# Altium PCB OZ440-SE100-CAR002.PcbDoc (part 1 of 2)
Units mm, origin at the board's own origin, x right, y up, seen from the top; angles counter-clockwise.
Board outline 156 x 60 mm, 4 copper layers (Top Layer, Mid-Layer 1, Mid-Layer 2, Bottom Layer), stack 1.586 mm thick; 110 components, 82 nets, 411 pads, 277 vias.
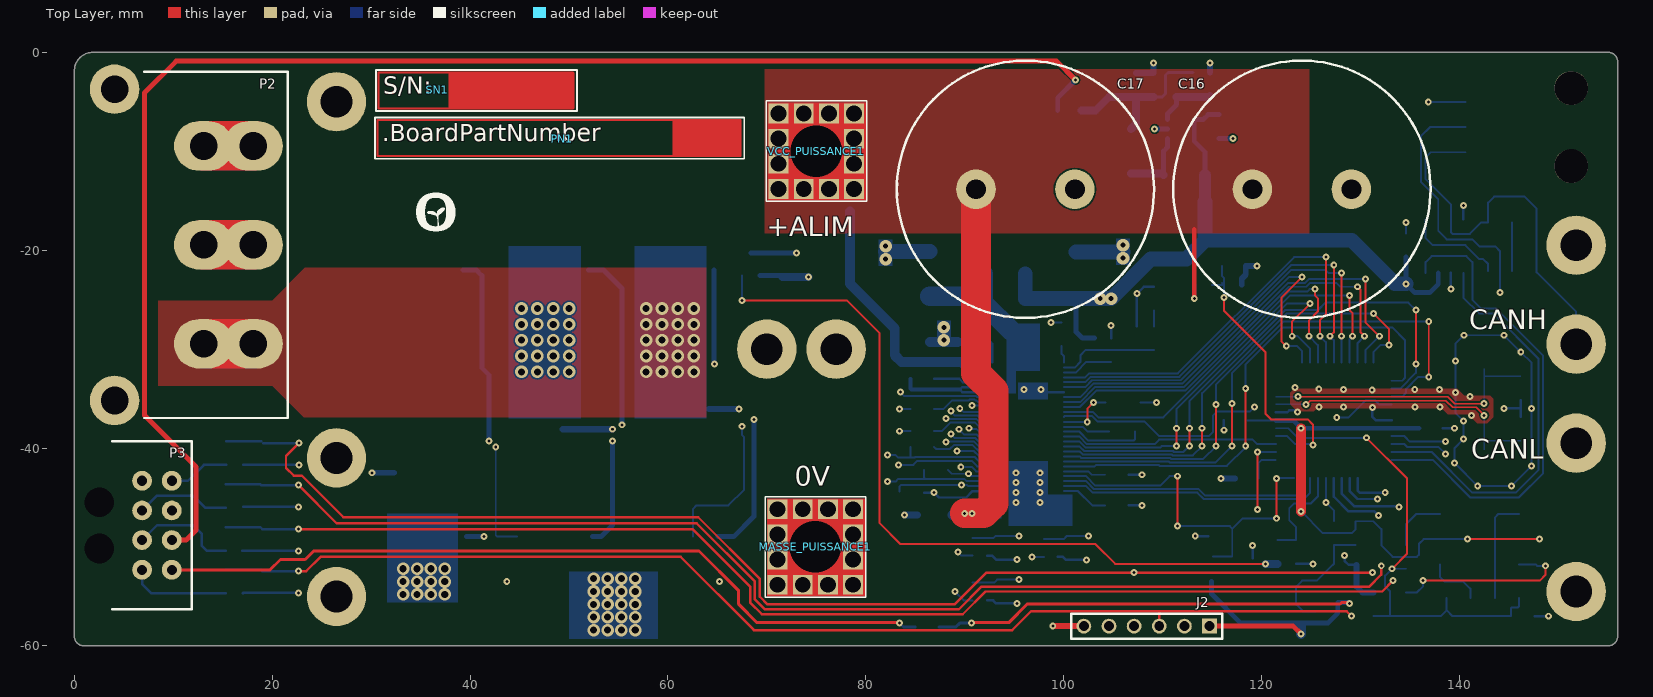
[diagram p0: Top Layer view]
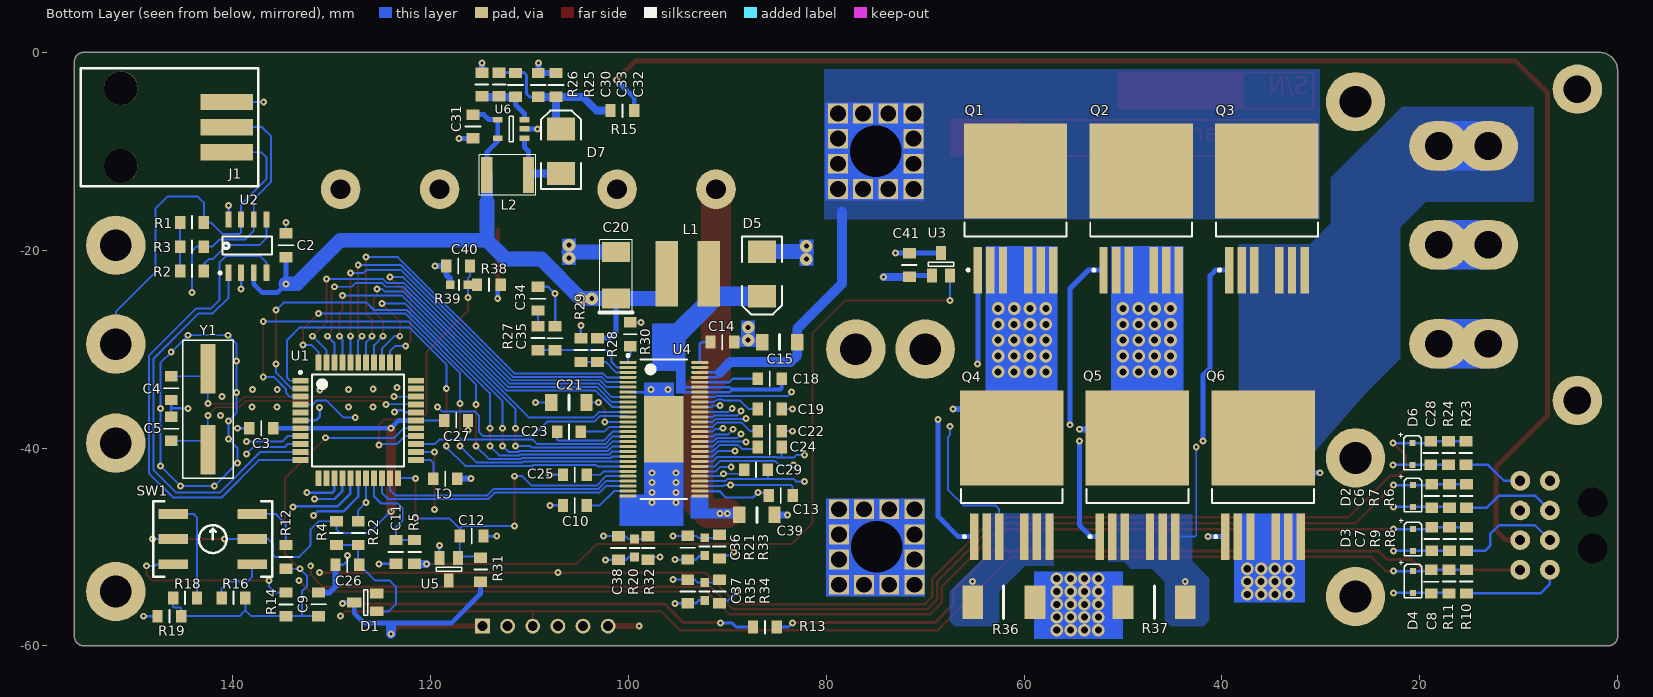
[diagram p1: Bottom Layer view, seen from below]
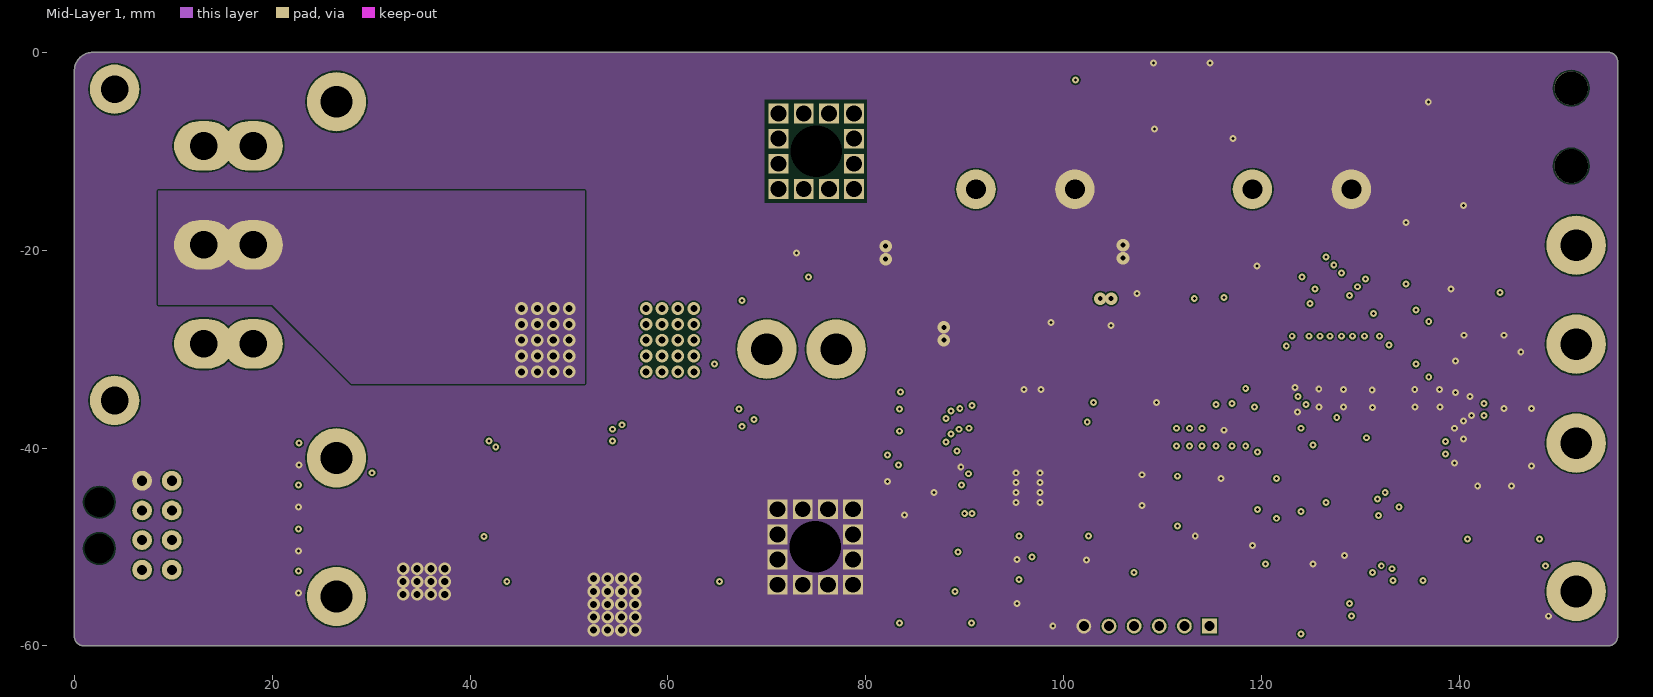
[diagram p2: Mid-Layer 1]
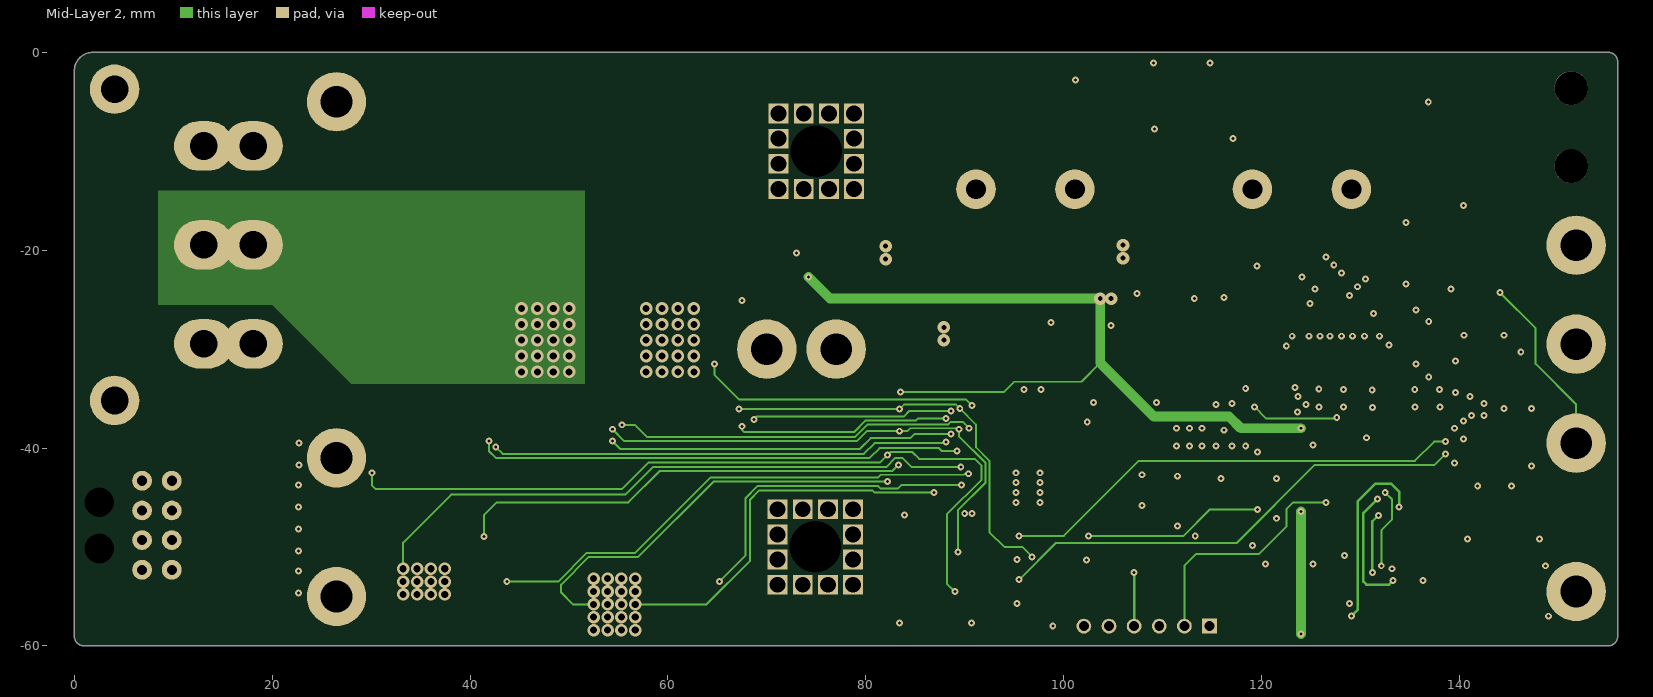
[diagram p3: Mid-Layer 2]
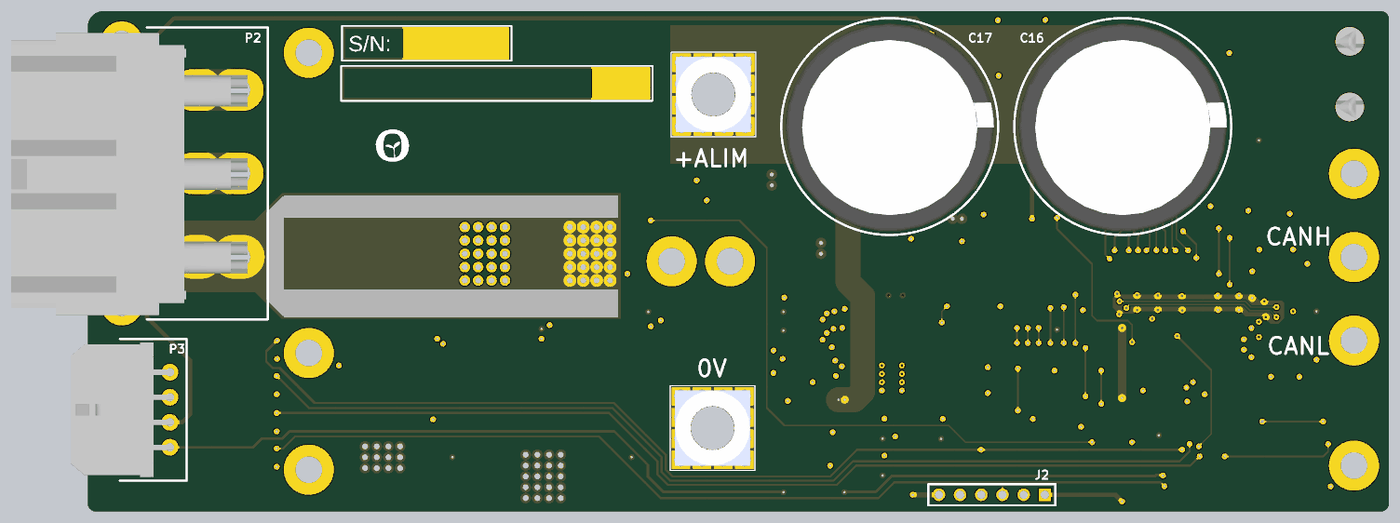
[diagram p5: 3D render of the assembled board from above, using the file's embedded part models]
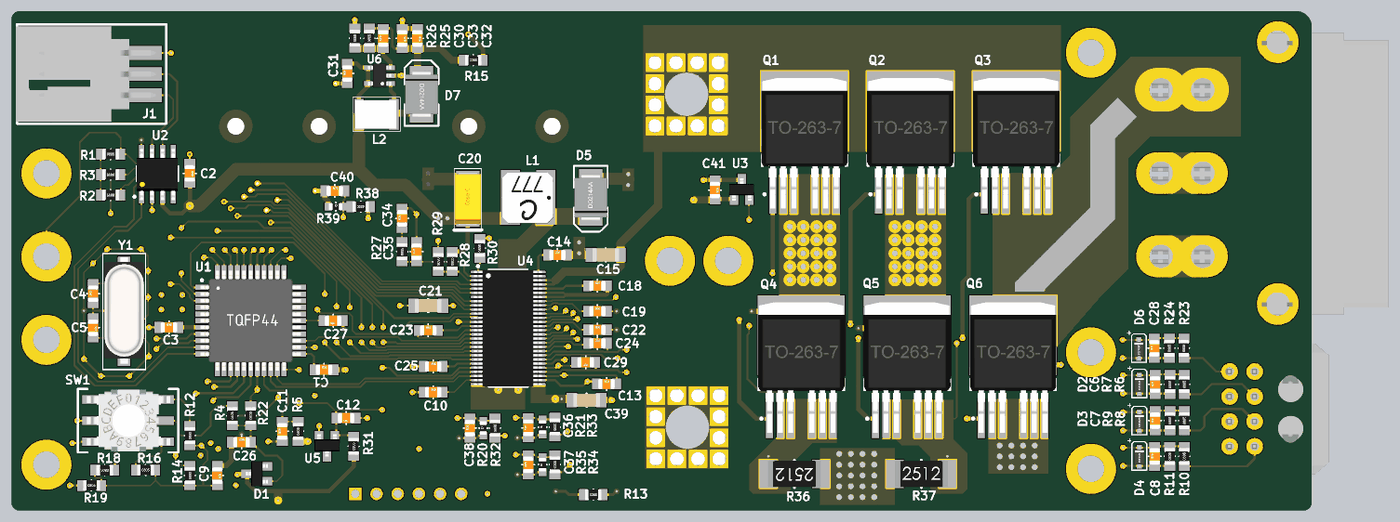
[diagram p6: 3D render of the assembled board from below, using the file's embedded part models]

## Layer stack, top to bottom
Top Layer: signal copper 0.07
Dielectric: prepreg 0.288, FR-4, Dk 4.8
Mid-Layer 1: signal copper 0.07
Dielectric: core 0.73, FR-4, Dk 4.8
Mid-Layer 2: signal copper 0.07
Dielectric: prepreg 0.288, FR-4, Dk 4.8
Bottom Layer: signal copper 0.07

## Board outline
0,-59 ccw(c1,-59) 1,-60 155,-60 ccw(c155,-59) 156,-59 156,-1 ccw(c155,-1) 155,0 1.905,0 ccw(c1.905,-1.905) 0,-1.905

## Design rules (kind name [scope] priority, off if disabled: settings)
AssemblyTestPointUsage [All] p1: valid=2
Clearance Clearance_1 [InNet('24V_PUISSANCE') vs InNet('GND')] p1 off: gap=0.35
Clearance [All] p2: gap=0.15
FabricationTestPointUsage [All] p1: valid=2 allowmultiple=FALSE
Height [All] p1: minheight=0 maxheight=35 prefheight=12.7
HoleSize [All] p1: absolutevalues=TRUE maxlimit=5 minlimit=0.025 maxpercent=80.000 minpercent=20.000
MinimumSolderMaskSliver [All] p1: minsoldermaskwidth=0.07
PolygonConnect [All] p1: connectstyle=Direct reliefconductorwidth=0.254 reliefentries=4 polygonreliefangle="90 Angle" airgapwidth=0.254
RoomDefinition "OZ440-SE100-CAR002-SCH01_logique - Copie" [InComponentClass('OZ440-SE100-CAR002-SCH01_logique - Copie')] p1: confinementstyle=ConfineIn formatcopy=TRUE lockcomponents=FALSE outline -41.275,-121.412 233.68,-121.412 233.68,37.465 -41.275,37.465
RoomDefinition OZ440-SE100-CAR002-SCH02_puissance [InComponentClass('OZ440-SE100-CAR002-SCH02_puissance')] p2: confinementstyle=ConfineIn formatcopy=TRUE lockcomponents=FALSE outline -39.497,-119.253 235.204,-119.253 235.204,36.195 -39.497,36.195
RoutingVias [All] p1: holewidth=0.3 width=0.7 viastyle="Through Hole" minholewidth=0.3 minwidth=0.7 maxholewidth=4 maxwidth=4
SilkToSilkClearance [All] p1: silktosilkclearance=0.1
SilkscreenOverComponentPads [All] p1: minsilkscreentomaskgap=0.125
SolderMaskExpansion [All] p1: expansion=0.125
Width [All] p1: maxlimit=20 minlimit=0.15 preferedwidth=0.15 minimp=50.000000 maximp=50.000000 favimp=50.000000
21 further rules are at their usual default settings.

## Classes and differential pairs
component class "OZ440-SE100-CAR002-SCH01_logique - Copie": C1 C2 C3 C4 C5 C6 C7 C8 C9 C11 C26 C27 C28 C41 D1 D2 D3 D4 D6 J1 J2 P3 PN1 R1 R2 R3 R4 R5 R6 R7 R8 R9 R10 R11 R12 R13 R14 R15 R16 R18 R19 R22 R23 R24 SN1 SW1 U1 U2 U3 Y1
component class OZ440-SE100-CAR002-SCH02_puissance: C10 C12 C13 C14 C15 C16 C17 C18 C19 C20 C21 C22 C23 C24 C25 C29 C30 C31 C32 C33 C34 C35 C36 C37 C38 C39 C40 D5 D7 L1 L2 MASSE_PUISSANCE1 P2 Q1 Q2 Q3 Q4 Q5 Q6 R20 R21 R25 R26 R27 R28 R29 R30 R31 R32 R33 R34 R35 R36 R37 R38 R39 U4 U5 U6 VCC_PUISSANCE1

## Components (designator, comment, footprint, x,y, rotation, side; value= is the part's Value field where it differs from the comment)
C1 "CAP-SMD" C0805-STD 118.5,-43.1 r180 bottom
C2 "CAP-SMD" C0805-STD 134.6,-19.5 r270 bottom
C3 "CAP-SMD" C0805-STD 137.1,-38 r180 bottom
C4 "CAP-SMD" C0805-STD 146.2,-33.95 r90 bottom
C5 "CAP-SMD" C0805-STD 146.2,-38.05 r270 bottom
C6 "CAP-SMD" C0805-STD 18.8,-44.85 r90 bottom
C7 "CAP-SMD" C0805-STD 18.8,-49.2 r90 bottom
C8 "CAP-SMD" C0805-STD 18.854,-53.5 r90 bottom
C9 "CAP-SMD" C0805-STD 131.3,-55.8 r270 bottom
C10 "CAP-SMD" C0805-STD 105.4,-45.8 r180 bottom
C11 "CAP-SMD" C0805-STD 123.5,-50.5 r90 bottom
C12 "CAP-SMD" C0805-STD 115.839,-48.9 r0 bottom
C13 "CAP-SMD" C0805-STD 84.6,-44.8 r180 bottom
C14 "CAP-SMD" C0805-STD 90.5,-29.3 r180 bottom
C15 "CAP-SMD" C1206-STD 84.7,-29.3 r180 bottom
C16 "CAP-POL-SMD" SNAP_IN_10mm-SPE-SLPX 124.079,-13.843 r0 top locked
C17 "CAP-POL-SMD" SNAP_IN_10mm-SPE-SLPX 96.139,-13.843 r0 top locked
C18 "CAP-SMD" C0805-STD 85.7,-33 r180 bottom
C19 "CAP-SMD" C0805-STD 85.7,-36.067 r180 bottom
C20 "CAP-POL-SMD" C_size_C-STD 101.25,-24.9 r90 bottom
C21 "CAP-SMD" C1206-STD 106,-35.4 r180 bottom
C22 "CAP-SMD" C0805-STD 85.7,-38.3 r180 bottom
C23 "CAP-SMD" C0805-STD 106,-38.35 r180 bottom
C24 "CAP-SMD" C0805-STD 85.7,-39.9 r180 bottom
C25 "CAP-SMD" C0805-STD 105.4,-42.7 r180 bottom
C26 "CAP-SMD" C0805-STD 128.4,-51.8 r180 bottom
C27 "CAP-SMD" C0805-STD 117.4,-37.2 r0 bottom
C28 "CAP-SMD" C0805-STD 18.9,-40.5 r90 bottom
C29 "CAP-SMD" C0805-STD 87.1,-42.2 r0 bottom
C30 "CAP-SMD" C0805-STD 111.4,-3.3 r90 bottom
C31 "CAP-SMD" C0805-STD 115.7,-7.5 r90 bottom
C32 "CAP-SMD" C0805-STD 107.3,-3.3 r270 bottom
C33 "CAP-SMD" C0805-STD 109.1,-3.3 r270 bottom
C34 "CAP-SMD" C0805-STD 109.128,-24.9 r90 bottom
C35 "CAP-SMD" C0805-STD 107.4,-28.9 r90 bottom
C36 "CAP-SMD" C0805-STD 94,-50.07 r90 bottom
C37 "CAP-SMD" C0805-STD 94,-54.5 r90 bottom
C38 "CAP-SMD" C0805-STD 101,-50.1 r90 bottom
C39 "CAP-SMD" C1206-STD 87,-46.75 r180 bottom
C40 "CAP-SMD" C0805-STD 117.2,-21.6 r180 bottom
C41 "CAP-SMD" C0805-STD 71.6,-21.5 r270 bottom
D1 "BAS16-SOT23" SOT23-STD 127.7,-55.6 r180 bottom
D2 "DIODE_ZENER-SOD323" SOD323-SPE-BZX384 20.7,-45.95 r90 bottom
D3 "DIODE_ZENER-SOD323" SOD323-SPE-BZX384 20.7,-50.4 r90 bottom
D4 "DIODE_ZENER-SOD323" SOD323-SPE-BZX384 20.7,-54.648 r90 bottom
D5 "DIODE_SCHOTKY-DO214AA" DO214AA-STD 86.5,-22.4 r270 bottom
D6 "DIODE_ZENER-SOD323" SOD323-SPE-BZX384 20.746,-41.7 r90 bottom
D7 "DIODE_SCHOTKY-DO214AA" DO214AA-STD 106.8,-10 r90 bottom
J1 "CONN-STD-3P_1ROW" CONN-SPE_MOLEX_0015913033 140.6,-10.106 r90 bottom
J2 "CONN-STD-6P_1ROW" 6P_HEADER-STD_TH_1ROW 112.2,-58 r0 top
L1 "IND-SMD" L-SPE-LPS6235 91.875,-22.4 r0 bottom
L2 "IND-SMD" L-SPE-PFL4514 114.3,-12.4 r180 bottom
MASSE_PUISSANCE1 "TP-STD-TEST_POINT" MEC-SPE-WURTHZ_7460408 74.9,-50 r90 top
P2 "CONN-STD-3P_puissance" CONN-SPE-428203213_MOLEX 13.081,-29.464 r270 top locked
P3 "CONN-SPE-8P_MOLEX_43045-0801" CONN-SPE_MOLEX_43045-0801 6.858,-43.307 r270 top
PN1 "PART-NUMBER" PART_NUMBER-STD 49.3,-8.73 r0 top
Q1 "IPB039N10N3-PGTO263_3" TO263-3-SPE-IPB039N10N3 60.864,-15.761 r90 bottom
Q2 "IPB039N10N3-PGTO263_3" TO263-3-SPE-IPB039N10N3 48.164,-15.761 r90 bottom
Q3 "IPB039N10N3-PGTO263_3" TO263-3-SPE-IPB039N10N3 35.464,-15.761 r90 bottom
Q4 "IPB039N10N3-PGTO263_3" TO263-3-SPE-IPB039N10N3 61.245,-42.712 r90 bottom
Q5 "IPB039N10N3-PGTO263_3" TO263-3-SPE-IPB039N10N3 48.545,-42.712 r90 bottom
Q6 "IPB039N10N3-PGTO263_3" TO263-3-SPE-IPB039N10N3 35.845,-42.712 r90 bottom
R1 "RES-SMD" R0805-STD 144.1,-17.2 r180 bottom
R2 "RES-SMD" R0805-STD 144.1,-22.1 r0 bottom
R3 "RES-SMD" R0805-STD 144.1,-19.65 r0 bottom
R4 "RES-SMD" R0805-STD 129.5,-48.6 r90 bottom
R5 "RES-SMD" R0805-STD 121.6,-50.5 r90 bottom
R6 "RES-SMD" R0805-STD 15.3,-44.85 r90 bottom
R7 "RES-SMD" R0805-STD 17,-44.85 r90 bottom
R8 "RES-SMD" R0805-STD 15.3,-49.2 r90 bottom
R9 "RES-SMD" R0805-STD 17,-49.2 r90 bottom
R10 "RES-SMD" R0805-STD 15.3,-53.5 r90 bottom
R11 "RES-SMD" R0805-STD 17.041,-53.5 r90 bottom
R12 "RES-SMD" R0805-STD 134.6,-51 r270 bottom
R13 "RES-SMD" R0805-STD 86.2,-58.1 r0 bottom
R14 "RES-SMD" R0805-STD 134.6,-55.8 r270 bottom
R15 "RES-SMD" R0805-STD 100.6,-5.9 r0 bottom
R16 "RES-SMD" R0805-STD 139.9,-55.148 r180 bottom
R18 "RES-SMD" R0805-STD 144.8,-55.148 r0 bottom
R19 "RES-SMD" R0805-STD 146.39,-57 r180 bottom
R20 "RES-SMD" R0603-STD 99.381,-50.1 r90 bottom
R21 "RES-SMD" R0603-STD 92.281,-49.97 r90 bottom
R22 "RES-SMD" R0805-STD 127.3,-48.6 r90 bottom
R23 "RES-SMD" R0805-STD 15.346,-40.5 r90 bottom
R24 "RES-SMD" R0805-STD 17.087,-40.5 r90 bottom
R25 "RES-SMD" R0805-STD 113.061,-3.263 r90 bottom
R26 "RES-SMD" R0805-STD 114.8,-3.263 r270 bottom
R27 "RES-SMD" R0805-STD 109.128,-28.9 r90 bottom
R28 "RES-SMD" R0805-STD 103.1,-30.1 r90 bottom
R29 "RES-SMD" R0805-STD 104.8,-30.1 r270 bottom
R30 "RES-SMD" R0805-STD 99.8,-28.5 r90 bottom
R31 "RES-SMD" R0805-STD 114.939,-52.3 r90 bottom
R32 "RES-SMD" R0805-STD 98,-50.1 r270 bottom
R33 "RES-SMD" R0805-STD 90.8,-49.97 r270 bottom
R34 "RES-SMD" R0805-STD 90.8,-54.5 r270 bottom
R35 "RES-SMD" R0603-STD 92.281,-54.5 r90 bottom
R36 "RES-SMD" R2512-STD 58.9,-55.6 r0 bottom
R37 "RES-SMD" R2512-STD 50.015,-55.6 r180 bottom
R38 "RES-SMD" R0805-STD 114.1,-23.5 r180 bottom
R39 "RES-SMD" R0603-STD 117.1,-23.5 r180 bottom
SN1 "SERIAL-NUMBER" SERIAL_NUMBER-STD 36.7,-3.8 r0 top
SW1 "Switch-STD-coding_wheel" SW-SPE-CTS_220-AMA16 146,-51.748 r180 bottom
U1 "P18F45K80-TQFP44" TQFP44-SPE-PIC18F45k80 127.3,-37.2 r180 bottom
U2 "MCP2561-SOIC08" SO8-SPE-MCP2561 140.4,-22.3 r90 bottom
U3 "MCP97XX-SOT23" SOT23-STD 68.4,-20.3 r270 bottom
U4 "DRV8301-TSSOP56" TSSOP56-SPE-DRV8301 96.4,-38.1 r180 bottom
U5 "LM4040-SOT23" SOT23-SPE-LM4040 118.1,-53.4 r90 bottom
U6 "LM27313-SOT23_5P" SOT23_5-SPE-LM27313 110.5,-8.7 r180 bottom
VCC_PUISSANCE1 "TP-STD-TEST_POINT" MEC-SPE-WURTHZ_7460408 75,-10 r90 top
Y1 "XTAL-SMD" XTAL-SPE-HC49_SMD 142.5,-40.15 r90 bottom

## Footprints (in the part's own frame and the unit in brackets; to place one, negate y for a bottom-side part, rotate by r counter-clockwise, add the part's x,y. Pads: shape width x height; smd on the part's side, far side on the other; paste and mask are expansions set on the pad)
6P_HEADER-STD_TH_1ROW [mm] "6P TH header, 2.54mm pitch"
  rect 1.5x1.5 hole 1: 1(2.54,0)
  round 1.5 hole 1: 2(0,0) 3(-2.54,0) 4(-5.08,0) 5(-7.62,0) 6(-10.16,0)
  silkscreen extent -11.43,-1.27 3.81,1.27
C0805-STD [mm]
  rect 1.05x1.3 smd: 1(-1.2,0) 2(1.2,0)
  silkscreen extent 0,-0.76 0,0.76, body extent -1,-0.62 1,0.63, height 0.76
C1206-STD [mm]
  rect 1.25x1.7 smd: 1(-1.775,0) 2(1.775,0)
  silkscreen extent 0,-0.76 0,0.76, body extent -1.6,-0.8 1.6,0.8, height 0.79
C_size_C-STD [mm]
  rect 2x2.8 smd: 1(0,0) 2(4.7,0)
  silkscreen extent -1.4,-1.65 5.97,1.65, body extent -0.76,-1.61 5.43,1.6, height 2.7
CONN-SPE-428203213_MOLEX [mm]
  oval 5x6 hole 2.8: 1(0,5) 1(0,0) 2(-10,5) 2(-10,0) 3(-20,0) 3(-20,5)
  round 5 hole 2.8: Fix1(5.73,-9) Fix2(-25.73,-9)
  Top Layer lines w5: 0,0 0,5 ; -10,0 -10,5 ; -20,0 -20,5
  Bottom Layer lines w5: 0,0 0,5 ; -10,0 -10,5 ; -20,0 -20,5
  silkscreen extent -27.5,-6 7.5,8.5, body extent -26.82,-22.27 7,6.07, height 14
CONN-SPE_MOLEX_43045-0801 [mm]
  round 2 hole 1.02: 1(0,0) 2(3,0) 3(6,0) 4(9,0) 5(9,3) 6(6,3) 7(3,3) 8(0,3)
  round 2 hole 3: FIX2(2.16,-4.32) FIX2(6.84,-4.32)
  silkscreen extent -4,-3 13,5, body extent -3.58,-8.89 12.57,3.35, height 8.78
CONN-SPE_MOLEX_0015913033 [mm]
  round 3.4 hole 3.4: 0(-1.39,10.69) 0(6.48,10.69)
  rect 1.65x5.33 smd: 1(0,0) 2(2.54,0) 3(5.08,0)
  silkscreen extent -3.43,-3.18 8.51,14.73, body extent -3.17,-1.9 8.26,14.86, height 6.96
DO214AA-STD [mm]
  rect 2.3x2.8 smd: A(-2.25,0) K(2.25,0)
  silkscreen extent -3.8,-2.03 4.1,2.03, body extent -2.79,-1.97 2.79,1.97, height 2.6
L-SPE-LPS6235 [mm]
  rect 2.3x6.6 smd: 1(0,0) 2(4.25,0)
  body extent -0.92,-3.08 5.29,3.13, height 3.5
L-SPE-PFL4514 [mm]
  rect 1.14x3.68 smd: 1(0,0) 2(4.2,0)
  silkscreen extent -0.76,-2.03 4.95,2.03, body extent -0.42,-1.7 4.48,1.7, height 1.35
MEC-SPE-WURTHZ_7460408 [mm]
  rect 2x2 hole 1.6: 1(-3.81,-3.81) 1(-3.81,-1.27) 1(-3.81,1.27) 1(-3.81,3.81) 1(-1.27,3.81) 1(-1.27,-3.81) 1(1.27,3.81) 1(1.27,-3.81) 1(3.81,-3.81) 1(3.81,-1.27) 1(3.81,1.27) 1(3.81,3.81)
  round 4 hole 5.2: 1(0,0)
  silkscreen extent -5.08,-5.08 5.08,5.08, body extent -4.5,-4.52 4.5,4.5, height 6
PART_NUMBER-STD [mm]
  Top Layer region: 11.176,-1.778 18.161,-1.778 18.161,1.905 11.176,1.905
  Top Layer lines w0.2: 18.034,-1.778 -18.669,-1.778 -18.669,1.905 18.034,1.905
  silkscreen extent -18.92,-2.03 18.41,2.16
R0603-STD [mm]
  rect 0.9x0.9 smd: 1(-0.9,0) 2(0.9,0)
  silkscreen extent 0,-0.51 0,0.51, body extent -0.8,-0.4 0.8,0.4, height 0.3
R0805-STD [mm]
  rect 1.05x1.3 smd: 1(-1.2,0) 2(1.2,0)
  silkscreen extent 0,-0.64 0,0.64, body extent -1,-0.61 1,0.64, height 0.6
R2512-STD [mm]
  rect 2.1x3.4 smd: 1(0,0) 2(6.3,0)
  silkscreen extent 3.17,-1.65 3.17,1.65, body extent 0.02,-1.6 6.33,1.6, height 0.62
SERIAL_NUMBER-STD [mm]
  Top Layer region: 1.143,-1.905 13.843,-1.905 13.843,1.778 1.143,1.778
  Top Layer lines w0.2: 13.716,-1.905 -5.969,-1.905 -5.969,1.778 13.716,1.778
  silkscreen extent -6.22,-2.16 14.1,2.03
SNAP_IN_10mm-SPE-SLPX [mm]
  round 4 hole 2: 1(-5,0) 2(5,0)
  silkscreen extent -13,-13 13,13, body extent -12.5,-12.63 12.5,12.37, height 30
SO8-SPE-MCP2561 [mm]
  rect 1.65x0.6 smd: 1(0,0) 2(0,-1.27) 3(0,-2.54) 4(0,-3.81) 5(5.4,-3.81) 6(5.4,-2.54) 7(5.4,-1.27) 8(5.4,0)
  silkscreen extent -0.12,-4.41 3.68,0.98, body extent -0.4,-4.35 5.74,0.54, height 1.73
SOD323-SPE-BZX384 [mm]
  rect 0.6x0.6 smd: A(0,0) K(2.2,0)
  silkscreen extent -0.51,-0.89 3.25,1.37, body extent -0.16,-0.63 2.34,0.62, height 0.95
SOT23-SPE-LM4040 [mm]
  rect 1.425x1 smd: 3(0,0.05)
  rect 1.4x1 smd: A(2.275,1) K(2.275,-0.9)
  silkscreen extent 0.94,-1.27 1.35,1.3, body extent -0.1,-1.47 2.54,1.53, height 1.08
SOT23-STD [mm]
  rect 1.4x1 smd: 1(2.275,-0.9) 2(2.275,0.9)
  rect 1.425x1 smd: 3(0,0)
  silkscreen extent 0.94,-1.3 1.35,1.27, body extent -0.18,-1.5 2.46,1.5, height 1.08
SOT23_5-SPE-LM27313 [mm]
  rect 1x0.55 smd: 1(0,0) 2(0,0.95) 3(0,1.9) 4(-2.7,1.9) 5(-2.7,0)
  silkscreen extent -1.51,-0.34 -1.11,2.22, body extent -2.72,-0.51 0.08,2.39, height 1.43
SW-SPE-CTS_220-AMA16 [mm]
  rect 3x1 smd: 1(0,5.08) 2(7.985,0) 4(0,0) 8(7.985,5.08) C(0,2.54) C(7.985,2.54)
  silkscreen extent -2.03,-1.27 10.02,6.35, body extent -0.94,-1.16 9.06,6.24, height 4.25
TO263-3-SPE-IPB039N10N3 [mm]
  rect 4.7x0.85 smd: 1(-6.25,3.81) 2(-6.25,2.54) 3(-6.25,1.27) 5(-6.25,-1.27) 6(-6.25,-2.54) 7(-6.25,-3.81)
  rect 9.6x10.45 smd: 8(3.75,0)
  silkscreen extent -6.37,-5.15 -1.45,5.15, body extent -7.95,-5.2 7.72,5.2, height 4.5
TQFP44-SPE-PIC18F45k80 [mm]
  rect 1.6x0.6 smd: 1(-5.85,4) 2(-5.85,3.2) 3(-5.85,2.4) 4(-5.85,1.6) 5(-5.85,0.8) 6(-5.85,0) 7(-5.85,-0.8) 8(-5.85,-1.6) 9(-5.85,-2.4) 10(-5.85,-3.2) 11(-5.85,-4) 23(5.85,-4) 24(5.85,-3.2) 25(5.85,-2.4) 26(5.85,-1.6) 27(5.85,-0.8) 28(5.85,0) 29(5.85,0.8) 30(5.85,1.6) 31(5.85,2.4) 32(5.85,3.2) 33(5.85,4)
  rect 0.6x1.6 smd: 12(-4,-5.85) 13(-3.2,-5.85) 14(-2.4,-5.85) 15(-1.6,-5.85) 16(-0.8,-5.85) 17(0,-5.85) 18(0.8,-5.85) 19(1.6,-5.85) 20(2.4,-5.85) 21(3.2,-5.85) 22(4,-5.85) 34(4,5.85) 35(3.2,5.85) 36(2.4,5.85) 37(1.6,5.85) 38(0.8,5.85) 39(0,5.85) 40(-0.8,5.85) 41(-1.6,5.85) 42(-2.4,5.85) 43(-3.2,5.85) 44(-4,5.85)
  silkscreen extent -5.98,-4.65 4.65,4.97, body extent -6.01,-6.01 6.01,6.01, height 1.1
TSSOP56-SPE-DRV8301 [mm]
  oval 1.75x0.3 smd: 1(-3.625,6.75) 2(-3.625,6.25) 3(-3.625,5.75) 4(-3.625,5.25) 5(-3.625,4.75) 6(-3.625,4.25) 7(-3.625,3.75) 8(-3.625,3.25) 9(-3.625,2.75) 10(-3.625,2.25) 11(-3.625,1.75) 12(-3.625,1.25) 13(-3.625,0.75) 14(-3.625,0.25) 15(-3.625,-0.25) 16(-3.625,-0.75) 17(-3.625,-1.25) 18(-3.625,-1.75) 19(-3.625,-2.25) 20(-3.625,-2.75) 21(-3.625,-3.25) 22(-3.625,-3.75) 23(-3.625,-4.25) 24(-3.625,-4.75) 25(-3.625,-5.25) 26(-3.625,-5.75) 27(-3.625,-6.25) 28(-3.625,-6.75) 29(3.625,-6.75) 30(3.625,-6.25) 31(3.625,-5.75) 32(3.625,-5.25) 33(3.625,-4.75) 34(3.625,-4.25) 35(3.625,-3.75) 36(3.625,-3.25) 37(3.625,-2.75) 38(3.625,-2.25) 39(3.625,-1.75) 40(3.625,-1.25) 41(3.625,-0.75) 42(3.625,-0.25) 43(3.625,0.25) 44(3.625,0.75) 45(3.625,1.25) 46(3.625,1.75) 47(3.625,2.25) 48(3.625,2.75) 49(3.625,3.25) 50(3.625,3.75) 51(3.625,4.25) 52(3.625,4.75) 53(3.625,5.25) 54(3.625,5.75) 55(3.625,6.25) 56(3.625,6.75)
  rect 4x6.7 smd: 57(0,0)
  silkscreen extent -3.75,-7.05 2.35,7.57, body extent -4.1,-7.03 4.04,7.05, height 1.09
XTAL-SPE-HC49_SMD [mm]
  rect 5x1.5 smd: 1(0,0) 2(8.15,0)
  silkscreen extent -2.92,-2.59 11.02,2.54, body extent -2.21,-2.44 10.59,2.39, height 4.3

## Part data
C1: library part C0805C106K9PACxx, "0805 10uF / 6.3V X5R ceramic capacitor"
C2 C3 C9 C11 C26 C27 C41: library part VJ0805Y104KXAxx, "0805 100nF / 50V  X7R ceramic capacitor"
C4 C5: library part C0805C150J5GACxx, "0805 15pF / 50V COG ceramic capacitor"
C6 C7 C8 C13 C28 C29 C36 C37 C38 C40: library part VJ0805Y102KXBxx, "0805 1nF / 100V X7R ceramic capacitor"
C10 C12 C25: library part C0805C105K4RACxx, "0805 1uF / 16V X7R ceramic capacitor"
C14 C23: library part VJ0805Y223KXBxx, "0805 22nF / 100V X7R ceramic capacitor"
C15 C21 C39: library part C3216X7S2A225Kxxx, "1206 2.2uF / 100V X7S ceramic capacitor"
C16 C17: library part SLPX222M080C3P3, "2200uF/80V Aluminium capacitor, snap in"
C18 C19 C22 C24: library part VJ0805Y334KXXxx, "0805 330nF / 25V X7R ceramic capacitor"
C20: library part TPSC476K016x0110, "47uF / 16V low ESR capacitor (110mR)"
C30: library part C0805C221J5GACxx, "0805 220pF / 100V COG ceramic capacitor"
C31 C32 C33: library part C0805C225K4PACxx, "0805 2.2uF / 16V X5R ceramic capacitor"
C34: library part C0805C682J5GACxx, "0805 6.8nF / 50V COG ceramic capacitor"
C35: library part C0805C121J5GACxx, "0805 120pF / 50V COG ceramic capacitor"
D1: library part BAS16, "100V / 120mA signal  diode"
D2 D3 D4 D6: library part BZX384C4V7, "4.7V zener diode"
D5 D7: library part SS24-E3/xxx, "2A/40V schottky diode in SMB package"
J1: library part 0015913033, "3 pin , 2.54mm SMD header"
J2: library part 68000-406HLF, "6P, 1 row, 2.54mm header"
L1: library part LPS6235-223MR, "22uH SMD inductor"
L2: library part PFL4514-103ME, "10uH SMD inductor"
MASSE_PUISSANCE1 VCC_PUISSANCE1: library part 7460408, "Bush with threaded hole M5"
P2: library part 42820-3213, "3 pin power connector"
P3: library part 43045-0801, "8 pin Microfit connector"
PN1: library part "Large part number", "large part number copper identification"
Q1 Q2 Q3 Q4 Q5 Q6: library part IPB017N06N3, "60V/180A N channel MOSFET in DPAK package"
R1 R3: library part CRCW080559R0FKxx, "59 Ohm 0805 SMD resistor"
R2 R13 R15 R22: library part CRCW0805300RFKxx, "300 ohm 0805 SMD resistor"
R4 R7 R9 R11 R24 R29: library part CRCW080510K0FKxx, "10k Ohm 0805 SMD resistor"
R5 R19: library part CRCW08051K00FKxx, "1k Ohm 0805 SMD resistor"
R6 R8 R10 R23: library part CRCW080547K0FKxx, "47k Ohm 0805 SMD resistor"
R12: library part CRCW08052K00FKxx, "2k Ohm 0805 SMD resistor"
R14: library part CRCW08054K02FKxx, "4k02 Ohm 0805 SMD resistor"
R16: library part CRCW08058K06FKxx, "8k06 Ohm 0805 SMD resistor"
R18 R27: library part CRCW080516K2FKxx, "16k2 Ohm 0805 SMD resistor"
R20 R21 R35 R39: library part ERA3ARB102x, "1k 0.1%  0603 SMD resistor"
R25: library part CRCW0805118KFKxx, "118k Ohm 0805 SMD resistor"
R26: library part CRCW080513K3FKxx, "13k3 Ohm 0805 SMD resistor"
R28: library part CRCW080553K6FKxx, "53k6 Ohm 0805 SMD resistor"
R30: library part CRCW0805220KFKxx, "220k Ohm 0805 SMD resistor"
R31: library part CRCW08053K00FKxx, "3k Ohm 0805 SMD resistor"
R32 R33 R34 R38: library part CRCW08056K80FKxx, "6,8k Ohm 0805 SMD resistor"
R36 R37: library part ERJM1WTJ1M0U, "0.001R 1% 2512 SMD resistor"
SN1: library part "Serial Number", "serial number copper identification"
SW1: library part 220AMA16x, "16 positions rotary dip switch"
U1: library part PIC18F45K80-I/PT, "Pic microcontroller with embeded CAN controller"
U2: library part MCP2561-E/SN, "CAN transceiver with common mode stabilisation"
U3: library part MCP9701AT-E/TT, "temperature sensor with voltage output"
U4: library part DRV8301DCA, "3 phase MOSFET driver"
U5: library part LM4040D41IDBZx, "4.096 shunt voltage reference"
U6: library part LM27313XMF, "Boost converter 20V/ 800mA"
Y1: library part MCRSD16000F183000RR, "16Mhz Crystal"

## Free pads (board coordinates)
  round 6 hole 3.2: 0(26.5,-55) 0(26.5,-41) 0(26.5,-5) 0(70,-30) 0(77,-30) 0(151.8,-54.5) 0(151.8,-39.5) 0(151.8,-29.5) 0(151.8,-19.5)

## Via types
v1: diameter 0.7, hole 0.3, Top Layer to Bottom Layer, 179 vias
v2: diameter 1.27, hole 0.711, Top Layer to Bottom Layer, 40 vias
v3: diameter 1.27, hole 0.711, Top Layer to Bottom Layer, tented both sides, 32 vias
v4: diameter 0.7, hole 0.3, Top Layer to Bottom Layer, tented both sides, 18 vias
v5: diameter 1.27, hole 0.5, Top Layer to Bottom Layer, tented both sides, 8 vias

## Nets (pads, with @x,y where several pads share a name; then routed paths per layer and width w, separated by ;. In a path a pad name is that pad's centre, name@x,y a point inside that pad or via, vN(x,y) a via of type N, cw(c..) or ccw(c..) an arc to the next point about the centre after c; other vN are vias at no path point)
5V: C2.2 C3.2 C20.1 C27.2 C31.2 C41.2 D1.3 J2.1 L1.2 L2.1 R4.2 R13.2 R28.2 R31.1 SW1.C U1.7 U1.28 U2.3 U3.1 U4.49 U6.4 U6.5 | length 311.1
  Top Layer w0.2: v1(140.8,-49.208) v1(148.1,-49.208)
  Top Layer w0.3: v4(90.7,-57.7) 90.75,-57.65 94.45,-57.65 96.35,-55.75 127.95,-55.75 128.1,-55.6 128.9,-55.6 v1(128.9,-55.7)
  Top Layer w0.5: J2.1@114.74,-58 123.2,-58 v1(124,-58.8)
  Top Layer w1: v1(123.99,-46.4) 124,-46.39 v1(124,-38)
  Mid-Layer 2 w0.2: v1(83.5,-34.35) 93.95,-34.35 95,-33.3 101.8,-33.3 103.7,-31.4
  Mid-Layer 2 w1: v1(74.2,-22.7) 76.4,-24.9 v5(103.7,-24.9) 103.7,-31.4 109.1,-36.8 116.7,-36.8 117.9,-38 v1(124,-38) ; v1(123.99,-46.4) 123.99,-58.79 v1(124,-58.8)
  Bottom Layer w0.2: v1(83.5,-34.35) 83.9,-34.75 91.144,-34.75 91.244,-34.85 U4.49@92.775,-34.85 ; C27.2@118.6,-37.2 U1.28@121.45,-37.2 ; v1(123.99,-46.4) 126.19,-48.6 129.1,-48.6 129.5,-48.2 R4.2@129.5,-47.4 131.3,-47.4 132.1,-48.2 132.1,-49.847 133.253,-51 135.7,-51 135.9,-50.8 135.9,-49.7 136.392,-49.208 SW1.C@138.015,-49.208 v1(140.8,-49.208) ; SW1.C@146,-49.208 v1(148.1,-49.208)
  Bottom Layer w0.3: R13.2@87.4,-58.1 89.1,-58.1 89.5,-57.7 v4(90.7,-57.7)
  Bottom Layer w0.5: U3.1@69.3,-22.575 71.475,-22.575 C41.2@71.6,-22.7 ; C20.1@101.25,-24.9 101.25,-28.25 101.9,-28.9 R28.2@103.1,-28.9 ; L2.1@114.3,-12.4 114.3,-10.1 113.2,-9 U6.5@113.2,-8.7 U6.4@113.2,-6.8 114.1,-6.8 114.6,-6.3 C31.2@115.7,-6.3 ; R31.1@114.939,-53.5 114.939,-54.739 117.9,-57.7 126.7,-57.7 127.7,-56.7 D1.3@127.7,-55.6 128.9,-55.6 v1(128.9,-55.7) ; U1.28@121.45,-37.2 123.2,-37.2 v1(124,-38) U1.7@133.15,-38 C3.2@135.9,-38 ; C2.2@134.6,-20.7 v1(134.6,-23.4) 135.5,-24.3 137,-24.3 137.86,-23.44 U2.3@137.86,-22.3
  Bottom Layer w0.8: C41.2@71.6,-22.7 v1(74.2,-22.7)
  Bottom Layer w1: v1(124,-58.8) 124,-58
  Bottom Layer w1.2: 114.3,-15.1 L2.1@114.3,-12.4
  Bottom Layer w1.5: L1.2@96.125,-22.4 96.125,-24.9 C20.1@101.25,-24.9 v5(103.7,-24.9) v5(104.8,-24.9) 108.8,-20.9 112.4,-20.9 114.3,-19 ; 114.3,-15.1 114.3,-19 ; v1(134.6,-23.4) 133.5,-23.4 129.1,-19 114.3,-19
12V: C30.2 C32.2 C33.2 D7.K R15.2 R25.2 | length 17.4
  Bottom Layer w0.3: C33.2@109.1,-4.5 110,-4.5 110.3,-4.2 110.3,-2.3 110.537,-2.063 R25.2@113.061,-2.063
  Bottom Layer w0.8: R15.2@101.8,-5.9 103.2,-5.9 104.6,-4.5 C32.2@107.3,-4.5 ; D7.K@106.8,-7.75 107.3,-7.25 C32.2@107.3,-4.5 ; C33.2@109.1,-4.5 C32.2@107.3,-4.5
24V_PUISSANCE: C15.2 C16.1 C17.1 C39.1 Q1.8 Q2.8 Q3.8 R38.2 U4.29 U4.53 U4.54 VCC_PUISSANCE1.1 | length 77.2
  Top Layer w0.5: v1(113.2,-24.9) 113.2,-17.9
  Top Layer w3: v4(90,-46.6) v1(90.75,-46.6) 91.9,-46.6 92.9,-45.6 92.9,-34.2 91.139,-32.439 C17.1@91.139,-13.843
  Bottom Layer w0.25: U4.53@92.775,-32.85 90.95,-32.85 90.75,-32.65 90.75,-32.35 U4.54@92.775,-32.35
  Bottom Layer w0.5: v1(113.2,-24.9) R38.2@113.2,-23.5
  Bottom Layer w1: 78.4,-16.1 78.4,-23.4 82.925,-27.925 C15.2@82.925,-29.3 82.925,-30.625 83.6,-31.3 89.7,-31.3 90.75,-32.35 ; C39.1@88.775,-46.75 88.925,-46.6 v4(90,-46.6) v1@90.65,-46.6 ; v1(90.75,-46.6) 92.4,-46.6
\F\A\U\L\T\: U1.40 U4.6 | length 42.2
  Top Layer w0.2: v1(128.1,-28.7) v1(128.1,-22.3)
  Bottom Layer w0.2: U4.6@100.025,-33.85 102.165,-33.85 102.865,-33.15 111.84,-33.15 122.99,-22 126.447,-22 126.747,-22.3 v1(128.1,-22.3) ; U1.40@128.1,-31.35 v1(128.1,-28.7)
\O\C\T\W\: U1.39 U4.5 | length 42.4
  Top Layer w0.2: v1(126.9,-28.7) 127.3,-28.3 v1(127.3,-21.5)
  Bottom Layer w0.2: U4.5@100.025,-33.35 102.17,-33.35 102.72,-32.8 111.695,-32.8 122.995,-21.5 v1(127.3,-21.5) ; v1(126.9,-28.7) 127.3,-29.1 U1.39@127.3,-31.35
\R\E\S\E\T_PIC: J2.2 R22.2 U1.18 | length 28.8
  Mid-Layer 2 w0.2: J2.2@112.2,-58 112.2,-51.9 113.4,-50.7 119.747,-50.7 122.5,-47.947 122.5,-46.2 123.2,-45.5 v1(126.5,-45.5)
  Bottom Layer w0.2: U1.18@126.5,-43.05 v1(126.5,-45.5) 127.3,-46.3 R22.2@127.3,-47.4
ADC_REF: C12.2 R31.2 U1.22 U4.24 U5.K | length 38.5
  Top Layer w0.2: v1(111.5,-47.9) v1(111.5,-42.85) ; v1(121.5,-47.1) v1(121.5,-43.1)
  Bottom Layer w0.2: U4.24@100.025,-42.85 102.26,-42.85 103.21,-43.8 109.75,-43.8 110.7,-42.85 v1(111.5,-42.85) ; v1(111.5,-47.9) 116.8,-47.9 117.039,-48.139 ; R31.2@115.075,-50.964 117.039,-50.964 C12.2@117.039,-48.9 117.039,-48.139 ; v1(121.5,-47.1) 118.078,-47.1 117.039,-48.139 ; v1(121.5,-43.1) 121.55,-43.05 U1.22@123.3,-43.05
ADDR_CAN: C9.2 R12.2 R14.2 R16.2 R18.2 R19.2 U1.27 | length 50
  Top Layer w0.2: v1(130.6,-38.962) 134.7,-43.062 134.7,-50.7 v1(133.2,-52.2)
  Bottom Layer w0.2: U1.27@121.45,-38 122.7,-38 123.662,-38.962 v1(130.6,-38.962) ; C9.2@131.3,-57 133,-57 ; R14.2@134.5,-57 133,-57 ; R14.2@134.6,-57 138.1,-57 138.7,-56.4 ; R12.2@134.6,-52.2 v1(133.2,-52.2) 132.5,-52.9 132.5,-54 133,-54.5 133,-57 ; R16.2@138.7,-55.148 138.7,-56.4 ; 140.5,-57 140.4,-57 ; R18.2@146,-55.148 146,-56 145.9,-56.1 145.3,-56.1 145.19,-56.21 R19.2@145.19,-57 140.4,-57 ; 138.7,-56.4 139.3,-57 140.4,-57
BEMF_1: C38.2 R20.2 R32.1 U1.24 | length 30.5
  Top Layer w0.2: v1(119.6,-46.2) v1(119.6,-40.4)
  Mid-Layer 2 w0.2: v1(102.5,-48.9) 112.09,-48.9 114.79,-46.2 v1(119.6,-46.2)
  Bottom Layer w0.2: R32.1@98,-49.2 R20.2@99.381,-49.2 99.987,-49.2 100.287,-48.9 C38.2@101,-48.9 v1(102.5,-48.9) ; v1(119.6,-40.4) U1.24@121.45,-40.4
BEMF_2: C36.2 R21.2 R33.1 U1.8 | length 57.5
  Mid-Layer 2 w0.2: v1(95.5,-48.87) 100.03,-48.87 107.6,-41.3 135.5,-41.3 137.45,-39.35 v1(138.6,-39.35)
  Bottom Layer w0.2: R33.1@90.8,-49.07 R21.2@92.281,-49.07 92.93,-49.07 93.13,-48.87 C36.2@94,-48.87 v1(95.5,-48.87) ; U1.8@133.15,-38.8 134.45,-38.8 135,-39.35 v1(138.6,-39.35)
BEMF_3: C37.2 R34.1 R35.2 U1.9 | length 59
  Mid-Layer 2 w0.2: v1(95.5,-53.3) 99.2,-49.6 117.5,-49.6 125.4,-41.7 137.5,-41.7 v1(138.6,-40.6)
  Bottom Layer w0.2: R34.1@90.8,-53.6 R35.2@92.281,-53.6 92.97,-53.6 93.27,-53.3 C37.2@94,-53.3 v1(95.5,-53.3) ; U1.9@133.15,-39.6 134.45,-39.6 134.75,-39.9 137.9,-39.9 v1(138.6,-40.6)
CANH: J1.1 pad.0@151.8,-29.5 R1.2 U2.7 | length 40.2
  Bottom Layer w0.2: J1.1@140.6,-10.106 137.094,-10.106 136.59,-10.61 136.59,-12.83 139.13,-15.37 U2.7@139.13,-16.9 139.13,-18.18 139.3,-18.35 141.05,-18.35 142.2,-17.2 R1.2@142.9,-17.2 142.9,-15.2 143.5,-14.6 146.6,-14.6 147.8,-15.8 147.8,-22.24 151.8,-26.24 pad.0@151.8,-29.5
CANL: J1.2 pad.0@151.8,-39.5 R3.1 U2.6 | length 44.9
  Mid-Layer 2 w0.2: v1(144.1,-24.3) 147.7,-27.9 147.7,-31.5 151.8,-35.6 pad.0@151.8,-39.5
  Bottom Layer w0.2: J1.2@140.6,-7.566 137.024,-7.566 136.1,-8.49 136.1,-13.1 137.86,-14.86 U2.6@137.86,-16.9 137.86,-18.06 138.7,-18.9 141.3,-18.9 142.05,-19.65 R3.1@142.9,-19.65 143.65,-19.65 144.1,-20.1 v1(144.1,-24.3)
CURRENT_SENSE1: U1.21 U4.25 | length 26.1
  Bottom Layer w0.2: U4.25@100.025,-43.35 102.265,-43.35 103.065,-44.15 113.65,-44.15 114.3,-44.8 123.5,-44.8 124.1,-44.2 U1.21@124.1,-43.05
CURRENT_SENSE2: U1.20 U4.26 | length 27.1
  Bottom Layer w0.2: U4.26@100.025,-43.85 102.27,-43.85 102.92,-44.5 113.505,-44.5 114.155,-45.15 124.25,-45.15 124.9,-44.5 U1.20@124.9,-43.05
DC_CAL: U1.4 U4.12 | length 37.6
  Mid-Layer 2 w0.2: v1(119.3,-35.85) 120.442,-36.992 127.508,-36.992 v1(127.6,-36.9)
  Bottom Layer w0.2: U4.12@100.025,-36.85 100.125,-36.75 102.85,-36.75 103.4,-37.3 108.15,-37.3 109.65,-38.8 114.675,-38.8 115.1,-38.375 115.1,-36.7 115.5,-36.3 118.85,-36.3 v1(119.3,-35.85) ; v1(127.6,-36.9) 128.8,-36.9 130.5,-35.2 131.5,-35.2 131.9,-35.6 U1.4@133.15,-35.6
EN_GATE: U1.25 U4.16 | length 22.1
  Bottom Layer w0.2: U4.16@100.025,-38.85 101.605,-38.85 102.355,-39.6 109.2,-39.6 109.65,-39.15 119.1,-39.15 119.55,-39.6 U1.25@121.45,-39.6
ENTREE_DIG1: P3.2 R6.1 | length 9.6
  Bottom Layer w0.25: P3.2@6.858,-46.307 8.365,-44.8 12,-44.8 13.25,-46.05 R6.1@15.3,-46.05
ENTREE_DIG1_MEF: C6.2 D2.K R6.2 R7.2 U1.14 | length 137.6
  Top Layer w0.25: v1(22.654,-43.75) 26.504,-47.6 62.9,-47.6 68.8,-53.5 68.8,-55.3 69.8,-56.3 89.4,-56.3 91.7,-54 130.9,-54 132.1,-52.8 v1(132.1,-51.9)
  Mid-Layer 2 w0.2: v1(132.1,-51.9) 132.1,-48.3 133.2,-47.2 133.2,-45.2 v1(132.5,-44.5)
  Bottom Layer w0.25: R6.2@15.3,-43.65 R7.2@17,-43.65 C6.2@18.8,-43.65 ; C6.2@18.9,-43.75 D2.K@20.7,-43.75 v1(22.654,-43.75) ; U1.14@129.7,-43.05 129.7,-44.3 129.9,-44.5 v1(132.5,-44.5)
ENTREE_DIG2: P3.3 R8.1 | length 10.8
  Bottom Layer w0.25: P3.3@6.858,-49.307 8.365,-47.8 12,-47.8 12.9,-48.7 12.9,-49.9 13.4,-50.4 R8.1@15.3,-50.4
ENTREE_DIG2_MEF: C7.2 D3.K R8.2 R9.2 U1.15 | length 140.6
  Top Layer w0.25: v1(22.654,-48.2) 62.5,-48.2 68.3,-54 68.3,-55.6 69.5,-56.8 89.8,-56.8 92.1,-54.5 132.2,-54.5 v1(133.3,-53.4)
  Mid-Layer 2 w0.25: v1(131.7,-45.15) 130.3,-46.55 130.3,-53.5 130.6,-53.8 132.9,-53.8 v1(133.3,-53.4)
  Bottom Layer w0.25: R8.2@15.3,-48 R9.2@17,-48 C7.2@18.8,-48 19,-48.2 D3.K@20.7,-48.2 v1(22.654,-48.2) ; U1.15@128.9,-43.05 128.9,-44.35 129.7,-45.15 v1(131.7,-45.15)
ENTREE_DIG3: P3.4 R10.1 | length 10.3
  Bottom Layer w0.25: P3.4@6.858,-52.307 6.858,-53.758 7.8,-54.7 R10.1@15.3,-54.7
ENTREE_DIG3_MEF: C8.2 D4.K J2.3 R10.2 R11.2 U1.16 | length 146.5
  Top Layer w0.25: v1(22.654,-52.448) 23.452,-52.448 24.9,-51 61.3,-51 68.7,-58.4 94.8,-58.4 96.7,-56.5 128.6,-56.5 v1(129.079,-56.979) ; J2.3@109.66,-58 109.66,-56.54
  Mid-Layer 2 w0.25: v1(129.079,-56.979) 129.7,-56.358 129.7,-45.4 131.5,-43.6 133.1,-43.6 133.9,-44.4 v1(133.9,-45.95)
  Bottom Layer w0.25: R10.2@15.3,-52.3 R11.2@17.041,-52.3 C8.2@18.854,-52.3 19.002,-52.448 D4.K@20.7,-52.448 v1(22.654,-52.448) ; U1.16@128.1,-43.05 128.1,-44.6 129.4,-45.9 133.85,-45.9 v1(133.9,-45.95)
ENTREE_DIG4: P3.8 R23.1 | length 6.2
  Bottom Layer w0.25: P3.8@9.858,-43.307 11.493,-43.307 13.1,-41.7 R23.1@15.346,-41.7
ENTREE_DIG4_MEF: C28.2 D6.K J2.4 R23.2 R24.2 U1.17 | length 147.2
  Top Layer w0.25: v1(22.7,-39.5) 21.4,-40.8 21.4,-42 22.2,-42.8 23,-42.8 27.2,-47 63.066,-47 69.3,-53.234 69.3,-55.034 70.066,-55.8 88.984,-55.8 92.184,-52.6 v1(107.1,-52.6) 131,-52.6 131.2,-52.8 v1(131.2,-52.6)
  Mid-Layer 2 w0.25: v1(107.1,-52.6) 107.12,-52.62 J2.4@107.12,-58 ; v1@131.2,-52.8 v1(131.2,-52.6) 131.2,-47.4 v1(131.8,-46.8)
  Bottom Layer w0.25: R23.2@15.346,-39.3 R24.2@17.087,-39.3 C28.2@18.9,-39.3 ; C28.2@19.1,-39.5 D6.K@20.746,-39.5 v1(22.7,-39.5) ; U1.17@127.3,-43.05 127.3,-44.9 128.8,-46.4 131.4,-46.4 v1(131.8,-46.8)